# Altium PCB PCB2.PcbDoc (part 2 of 2)
Units mil, origin at the board's own origin, x right, y up, seen from the top; angles counter-clockwise.
Board outline 3858.27 x 3415.36 mil, 4 copper layers (12 V PWR LAYER, 5V 3V3 PWR LAYER, SIGNAL LAYER, GND LAYER 2), stack 23.756 mil thick; 116 components, 87 nets, 401 pads, 74 vias.
Unrouted connection lines stored in the file: 2.
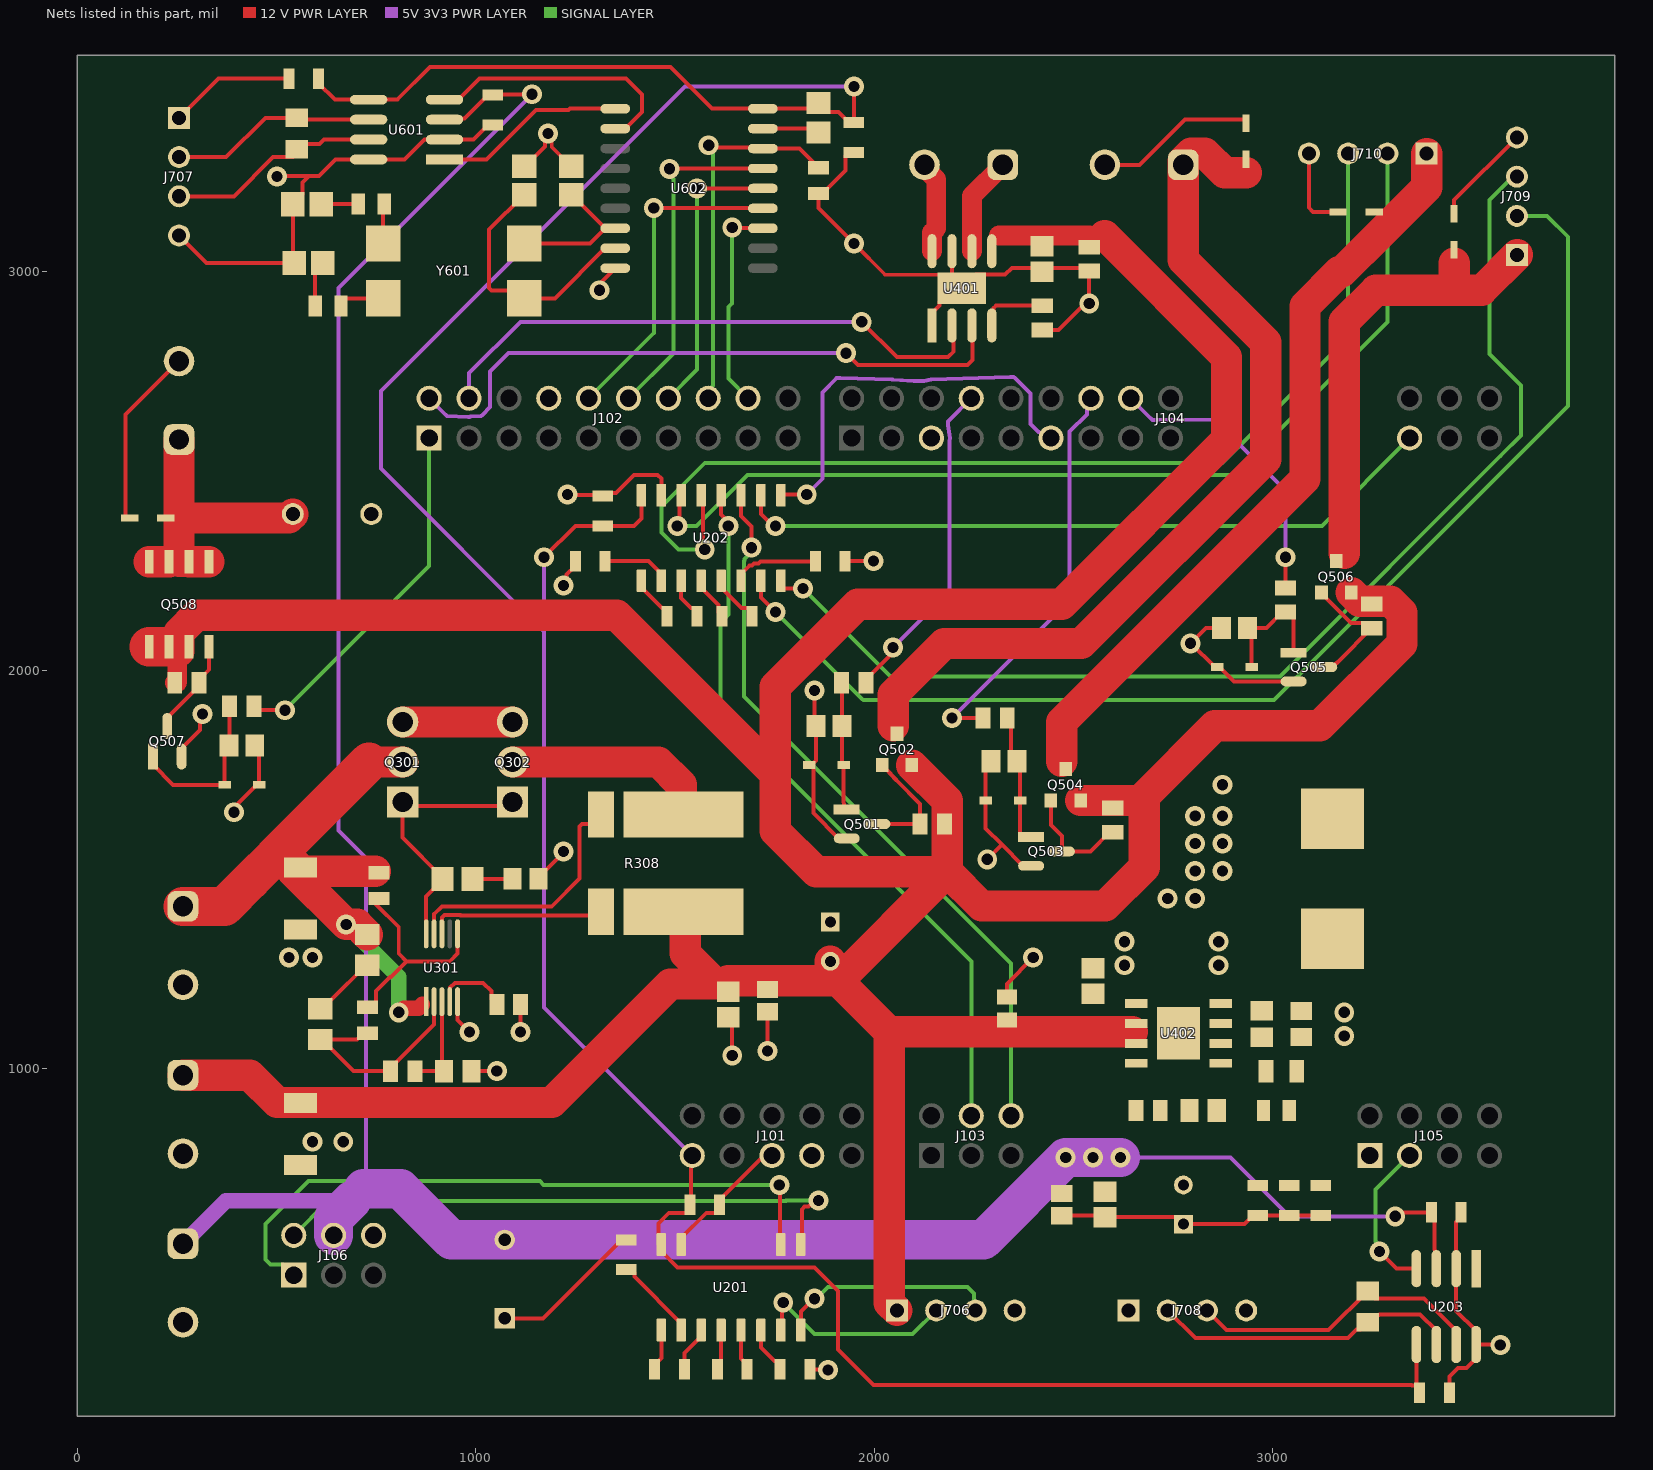
[diagram p4: the nets of this part, all layers, seen from the top]

## Via types
v1: diameter 50, hole 28, 12 V PWR LAYER to GND LAYER 2, 74 vias

## Nets (pads, with @x,y where several pads share a name; then routed paths per layer and width w, separated by ;. In a path a pad name is that pad's centre, name@x,y a point inside that pad or via, vN(x,y) a via of type N, cw(c..) or ccw(c..) an arc to the next point about the centre after c; other vN are vias at no path point)
12VIN: C401.1 C402.2 C403.1 C413.2 C414.2 C415.2 D701.1 J704.1 J706.1 Q502.2 Q504.2 Q506.2 Q508.1 Q508.2 Q508.3 R308.1 R502.2 R504.2 R506.2 R508.2 U401.5 U402.2 U402.3 | length 11141.1
  12 V PWR LAYER w50: R508.2@245.08,1968.5 249.8,1968.5 251.38,1970.08 251.38,2042.72 ; 2312.99,3090.55 2421.26,3090.55 2539.37,3090.55 ; 2539.37,3080.71 2578.74,3080.71
  12 V PWR LAYER w78.74: 255.91,2047.24 255.91,2094.17 299.46,2137.72 1354.32,2137.72 1751.97,1740.07 ; J704.1@265.75,984.25 433.07,984.25 501.97,915.35 561.02,915.35 1190.94,915.35 1488.28,1212.69 1626.08,1212.69 1633.86,1220.47 1732.28,1220.47 1889.76,1220.47 1909.45,1220.47 ; R308.1@1521.38,1393.75 1525.59,1389.54 1525.59,1289.37 1594.49,1220.47 ; C413.2@1889.76,1259.84 C413.2@1889.76,1269.68 ; J706.1@2057.09,393.7 2037.4,413.38 2037.4,1092.52 ; Q502.2@2094.49,1761.81 2183.23,1673.07 2183.23,1614.17 2183.23,1494.25 ; Q504.2@2517.72,1673.23 2598.42,1673.23 2667.32,1673.23 2677.17,1683.07 ; 2578.74,3090.55 2883.86,2785.43 2883.86,2578.74 2470.47,2165.35 1958.66,2165.35 1751.97,1958.66 1751.97,1740.07 ; 2647.64,1092.52 2332.68,1092.52 2037.4,1092.52 ; Q506.2@3196.85,2194.88 3218.35,2173.39 3295.06,2173.39 3323.98,2144.47 3323.98,2066.16 3118.05,1860.24 2854.33,1860.24 2677.17,1683.07 ; 1751.97,1740.07 1751.97,1596.54 1854.26,1494.25 2183.23,1494.25 ; 1909.45,1220.47 2183.23,1494.25 ; 1909.45,1220.47 2037.4,1092.52 ; 2183.23,1494.25 2268.98,1408.51 2579.77,1408.51 2677.17,1505.91 2677.17,1683.07
  12 V PWR LAYER w98.43: Q508.1@180.91,2058.85 Q508.2@230.91,2058.85 244.3,2058.85
CAN_S_RX: U601.4 U602.2 | length 663.1
  12 V PWR LAYER w10: U601.4@921.95,3431.3 956.5,3431.3 1010.08,3484.88 1377.32,3484.88 1417.32,3444.88 1417.32,3400 1375.99,3358.66 U602.2@1350.39,3358.66
CAN_S_TX: U601.1 U602.1 | length 481.2
  12 V PWR LAYER w10: U601.1@921.95,3281.3 1027.36,3281.3 1150.94,3404.88 1232.84,3404.88 1236.62,3408.66 U602.1@1350.39,3408.66
GATE: Q301.1 Q302.1 R307.2 U301.10 | length 657.8
  12 V PWR LAYER w10: Q301.1@816.93,1669.29 816.93,1579.72 917.32,1479.33 R307.2@917.32,1476.38 917.32,1473.42 875.98,1432.08 U301.10@875.98,1338.58 ; Q301.1@826.77,1659.45 1068.76,1659.45 cw(c1068.76,1625.85) Q302.1@1092.52,1649.61
GND: C101.1 C202.2 C203.2 C204.2 C207.2 C208.2 C209.2 C211.2 C212.2 C301.1 C302.2 C401.2 C402.1 C403.2 C405.2 C406.1 C407.2 C408.2 C409.2 C410.1 C411.1 C412.1 C413.1 C414.1 C415.1 C501.2 C502.2 C503.2 C504.2 C505.2 C601.2 C602.2 C603.2 C604.2 C605.2 C606.2 C607.2 D301.2 D501.2 D502.2 D503.2 D504.2 D505.2 D506.2 D507.2 D508.2 D701.2 J101.11 J101.13 J102.8 J104.5 J105.1 J106.6 J701.2 J703.2 J704.2 J705.2 J706.4 J707.1 J707.4 J708.1 J708.4 J709.4 J710.4 J717.2 Q501.2 Q503.2 Q505.2 Q507.2 R304.1 R401.1 R402.1 R405.1 R603.1 U201.15 U202.15 U203.2 U203.8 U301.5 U401.1 U401.7 U401.9 U402.7 U402.EPAD U601.2 U601.8 U602.9 | length 9104
  12 V PWR LAYER w10: D508.2@122.05,2381.89 122.05,2641.73 J717.2@255.91,2775.59 ; J707.4@255.91,3090.55 324.8,3021.65 C606.2@545.05,3021.65 541.34,3025.36 C607.2@541.34,3169.29 565.96,3193.91 565.96,3223.44 582.3,3239.78 ; J707.1@255.91,3385.83 354.33,3484.25 C602.2@531.5,3484.25 ; Q507.2@262.4,1783.33 262.4,1803.64 308.52,1849.76 308.52,1883.33 v1(314.96,1889.76) ; v1(393.7,1643.7) 401.35,1651.35 401.35,1663.16 450.79,1712.6 D507.2@456.69,1712.6 456.69,1800.24 C504.2@445.92,1811.02 ; v1(501.97,3238.19) 503.56,3239.78 582.3,3239.78 ; U301.5@954.72,1168.52 954.72,1122.05 v1(984.25,1092.52) ; R304.1@989.17,994.09 v1(1053.15,994.09) ; C601.2@1043.31,3368.11 1031.5,3368.11 994.69,3331.3 U601.2@921.95,3331.3 871.31,3331.3 821.31,3281.3 U601.8@731.59,3281.3 648.99,3281.3 607.47,3239.78 582.3,3239.78 ; C101.1@1072.83,374.02 1169.29,374.02 1366.14,570.87 C202.2@1377.95,570.87 ; v1(1112.2,1092.52) C302.2@1112.2,1161.42 ; C604.2@1122.05,3264.01 1123.06,3264.01 1173.45,3314.39 1173.45,3338.8 v1(1181.1,3346.46) 1181.1,3335.63 1190.94,3325.79 1190.94,3312.2 1239.14,3264.01 C605.2@1240.16,3264.01 ; C301.1@1157.65,1476.38 1157.65,1480.37 1220.47,1543.19 v1(1220.47,1545.28) ; v1(1220.47,2212.09) 1228.13,2219.75 1228.13,2239.94 1250,2261.81 C207.2@1250,2273.62 ; v1(1230.32,2440.94) 1232.28,2438.98 1316.93,2438.98 C208.2@1318.9,2437.01 1326.24,2444.35 1352.14,2444.35 1368.11,2460.32 1368.11,2460.63 1397.64,2490.16 1456.69,2490.16 1465.75,2481.1 U202.15@1465.75,2438.98 ; v1(1310.57,2953.16) 1310.57,2968.84 U602.9@1350.39,3008.66 ; U201.15@1515.75,559.06 1515.75,575.79 1578.82,638.86 1603.42,638.86 1612.2,647.64 C212.2@1612.2,659.45 1612.2,671.26 1713.09,772.14 1733.17,772.14 J101.11@1743.31,782.28 ; C414.1@1633.86,1129.69 1643.7,1119.85 v1(1643.7,1033.46) ; v1(1732.28,1045.05) C415.1@1732.28,1143.47 ; D501.2@1836.61,1761.81 D501.2@1842.52,1761.81 ; C204.2@1838.58,246.06 1881.76,246.06 v1(1883.62,244.2) ; v1(1850.39,1948.82) 1850.39,1864.08 C501.2@1854.23,1860.24 1854.23,1773.52 D501.2@1842.52,1761.81 ; C209.2@1927.17,2273.62 v1(1998.03,2273.62) ; Q501.2@1930.97,1578.15 1910.66,1578.15 1847.36,1641.44 1847.36,1756.97 D501.2@1842.52,1761.81 ; C603.2@1948.82,3299.21 1937.01,3299.21 1928.23,3290.43 1928.23,3254.02 1870.08,3195.87 R603.1@1860.24,3195.87 1860.24,3159.45 v1(1948.82,3070.87) 2027.56,2992.13 2185.78,2992.13 2194.88,2983.03 U401.7@2194.88,3051.18 ; U401.1@2144.88,2864.88 2144.88,2896.21 2163.86,2915.19 2163.86,2923.17 2198.72,2958.03 U401.9@2219.88,2958.03 2254.74,2992.89 2328.39,2992.89 2345.11,3009.61 2537.17,3009.61 C402.1@2539.37,3011.81 ; v1(2283.46,1525.59) 2320.19,1562.32 ; C502.2@2293.31,1771.65 2279.53,1757.87 D503.2@2279.53,1673.23 2279.53,1602.98 2320.19,1562.32 ; C403.2@2332.68,1180.2 2332.68,1213.2 v1(2398.8,1279.32) ; Q503.2@2393.57,1509.25 2373.25,1509.25 2320.19,1562.32 ; R401.1@2421.26,2853.35 2462.56,2853.35 v1@2539.33,2930.11 ; C412.1@2470.47,631.66 2574.8,631.66 C411.1@2578.74,627.72 2758.1,627.72 C410.1@2775.59,610.24 2929.13,610.24 2950.79,631.89 C408.2@2962.6,631.89 C409.2@3041.34,631.89 C407.2@3120.08,631.89 ; v1(2539.33,2920.27) 2539.37,2920.31 C402.1@2539.37,3001.97 ; J701.2@2578.74,3267.72 2665.11,3267.72 2779.28,3381.89 D502.2@2933.07,3381.89 ; C503.2@2871.01,2106.3 2831.94,2106.3 v1(2793.09,2067.45) 2794.76,2067.45 2854.33,2007.87 D505.2@2860.24,2007.87 2866.14,2007.87 2902.17,1971.85 Q505.2@3052.1,1971.85 ; J710.4@3090.55,3296.26 3090.55,3160.23 3101.17,3149.61 D504.2@3171.95,3149.61 ; C203.2@3442.91,187.01 3442.91,227.6 3464.64,249.32 3485.54,249.32 3510.04,273.82 U203.8@3510.04,308.36 ; D506.2@3454.72,3145.67 3454.72,3179.13 J709.4@3612.2,3336.61 ; C211.2@3472.44,639.76 3472.44,627.95 3460.04,615.55 U203.2@3460.04,498.72 3460.04,392.91 3510.04,342.91 U203.8@3510.04,308.36 ; v1(3570.63,306.75) 3569.02,308.36 U203.8@3510.04,308.36
  other v1: 590.55,816.93 667.82,816.93 3179.13,1082.68 3179.13,1141.73 531.5,1279.53 590.55,1279.53 2736.22,1427.17 2805.12,1427.17 2805.12,1496.06 2874.02,1496.06 2805.12,1564.96 2874.02,1564.96 2805.12,1633.86 2874.02,1633.86 2874.02,1712.6
NetC101_2: C101.2 C211.1 C407.1 C408.1 C409.1 C410.2 C411.2 C412.2 C601.1 J106.4 J705.1 L401.2 R404.2 U203.3 U601.3 | length 6843.7
  12 V PWR LAYER w10: U601.3@921.95,3381.3 924.52,3383.87 972.46,3383.87 1031.5,3442.91 C601.1@1043.31,3442.91 1044.29,3443.9 1140.75,3443.9 v1(1141.73,3444.88) ; v1(3307.09,629.92) 3317.91,629.92 3327.75,639.76 C211.1@3397.64,639.76 3405.51,631.89 3405.51,546.37 3407.27,544.62 3407.27,501.49 U203.3@3410.04,498.72
  5V 3V3 PWR LAYER w10: 725.47,698.82 725.47,1528.46 655.51,1598.43 655.51,2958.66 v1(1141.73,3444.88) ; v1(2618.11,777.56) 2893.7,777.56 3041.34,629.92 v1(3307.09,629.92)
  5V 3V3 PWR LAYER w39.37: J705.1@265.75,561.02 373.62,668.9 643.7,668.9 707.82,668.9
  5V 3V3 PWR LAYER w98.43: J106.4@643.7,582.28 643.7,624.01 688.58,668.9 ; 718.5,698.82 811.39,698.82 939.35,570.87 2273.62,570.87 v1(2480.32,777.56) v1(2549.21,777.56) v1(2618.11,777.56)
NetC201_1: C201.1 U201.1 | length 105.4
  12 V PWR LAYER w10: C201.1@1448.82,246.06 1448.82,257.88 1465.75,274.8 U201.1@1465.75,344.49
NetC201_2: C201.2 U201.3 | length 116.5
  12 V PWR LAYER w10: C201.2@1523.62,246.06 1523.62,286.65 1557.91,320.94 1558.94,320.94 1565.75,327.76 U201.3@1565.75,344.49
NetC202_1: C202.1 U201.2 | length 215.6
  12 V PWR LAYER w10: C202.1@1377.95,496.06 1389.76,496.06 1398.54,487.28 1398.54,478.43 1515.75,361.22 U201.2@1515.75,344.49
NetC203_1: C203.1 C208.1 C212.1 C602.1 C603.1 J101.7 R602.1 U201.16 U202.16 U203.5 U601.5 U602.18 | length 8386.2
  12 V PWR LAYER w10: C602.1@606.3,3484.25 606.3,3472.44 647.44,3431.3 U601.5@731.59,3431.3 803.35,3431.3 885.83,3513.78 1488.27,3513.78 1593.39,3408.66 U602.18@1720.47,3408.66 1845.67,3408.66 R602.1@1860.24,3423.23 1882.8,3400.67 1910.35,3400.67 1937.01,3374.02 C603.1@1948.82,3374.02 v1(1948.82,3464.57) ; v1(1171.26,2283.46) 1250,2362.2 C208.1@1318.9,2362.2 1397.64,2362.2 1415.75,2380.32 U202.16@1415.75,2438.98 ; U201.16@1458.86,560.04 1458.86,612.4 1485.31,638.86 1528.62,638.86 1537.4,647.64 C212.1@1537.4,659.45 1540.36,662.4 1540.36,779.33 J101.7@1543.31,782.28 ; U201.16@1465.75,559.06 1465.75,542.32 1506.1,501.97 1850.39,501.97 1909.45,442.91 1909.45,295.28 1998.03,206.69 3348.43,206.69 3349.33,205.79 3359.33,205.79 C203.1@3360.04,205.08 ; U203.5@3360.04,308.36 C203.1@3360.04,205.08 ; C203.1@3368.11,187.01 3360.04,195.08 C203.1@3360.04,205.08
  5V 3V3 PWR LAYER w10: v1(1171.26,2283.46) 1171.26,2096.46 ; J101.7@1543.31,782.28 1171.26,1154.33 1171.26,2096.46 ; v1(1948.82,3464.57) 1525.59,3464.57 762.02,2700.99 762.02,2505.7 1171.26,2096.46
NetC204_1: C204.1 U201.6 | length 121.2
  12 V PWR LAYER w10: U201.6@1715.75,344.49 1715.75,300.94 1750.04,266.65 1755,266.65 1763.78,257.88 C204.1@1763.78,246.06
NetC205_1: C205.1 U201.4 | length 102.3
  12 V PWR LAYER w10: C205.1@1606.3,246.06 1606.3,257.88 1615.75,267.32 U201.4@1615.75,344.49
NetC205_2: C205.2 U201.5 | length 104.8
  12 V PWR LAYER w10: U201.5@1665.75,344.49 1665.75,273.23 1681.1,257.88 C205.2@1681.1,246.06
NetC206_1: C206.1 U202.1 | length 118
  12 V PWR LAYER w10: U202.1@1415.75,2224.41 1415.75,2207.68 1467.01,2156.42 1471.54,2156.42 1480.32,2147.64 C206.1@1480.32,2135.83
NetC206_2: C206.2 U202.3 | length 108.5
  12 V PWR LAYER w10: U202.3@1515.75,2224.41 1515.75,2180.87 1540.2,2156.42 1546.34,2156.42 1555.12,2147.64 C206.2@1555.12,2135.83
NetC207_1: C207.1 U202.2 | length 171.1
  12 V PWR LAYER w10: C207.1@1324.8,2273.62 1433.27,2273.62 1465.75,2241.14 U202.2@1465.75,2224.41
NetC209_1: C209.1 U202.6 | length 220
  12 V PWR LAYER w10: U202.6@1665.75,2224.41 1665.75,2241.14 1686.7,2262.1 1693.04,2262.1 1698.9,2267.95 1709.93,2267.95 1714.62,2272.64 1843.58,2272.64 C209.1@1852.36,2281.42
NetC210_1: C210.1 U202.4 | length 110.3
  12 V PWR LAYER w10: U202.4@1565.75,2224.41 1565.75,2207.68 1609.33,2164.09 1609.33,2144.61 C210.1@1618.11,2135.83
NetC210_2: C210.2 U202.5 | length 130.6
  12 V PWR LAYER w10: U202.5@1615.75,2224.41 1615.75,2207.68 1667.01,2156.42 1684.13,2156.42 1692.91,2147.64 C210.2@1692.91,2135.83
NetC301_2: C301.2 R307.1 | length 100.4
  12 V PWR LAYER w10: R307.1@992.13,1476.38 C301.2@1092.52,1476.38
NetC302_1: C302.1 U301.4 | length 191.8
  12 V PWR LAYER w10: U301.4@935.04,1168.52 935.48,1168.96 935.48,1203.47 947.66,1215.65 1018.6,1215.65 1039.45,1194.8 1039.45,1175.12 C302.1@1053.15,1161.42
NetC404_1: C404.1 U402.1
NetC404_2: C404.2 L401.1 U402.8
  other v1: 2627.95,1259.84 2864.17,1259.84 2627.95,1318.9 2864.17,1318.9
NetC405_1: C405.1 R403.2
NetC406_2: C406.2 R403.1 U402.6
NetC501_1: C501.1 D501.1 Q501.1 R501.2 | length 300.8
  12 V PWR LAYER w10: R501.2@1919.29,1947.84 C501.1@1919.29,1860.24 1919.29,1771.32 ccw(c1932.73,1771.32) D501.1@1923.23,1761.81 1923.23,1668.88 ccw(c1949.65,1668.88) Q501.1@1930.97,1650.2
NetC502_1: C502.1 D503.1 Q503.1 R503.2 | length 319.4
  12 V PWR LAYER w10: R503.2@2342.52,1870.08 2342.52,1809.91 ccw(c2396.62,1809.91) C502.1@2358.37,1771.65 2366.14,1763.88 D503.1@2366.14,1673.23 2366.14,1588.64 2373.48,1581.3 Q503.1@2393.57,1581.3
NetC503_1: C503.1 D505.1 Q505.1 R505.2 | length 329
  12 V PWR LAYER w10: D505.1@2946.85,2007.87 2946.85,2095.52 C503.1@2936.07,2106.3 2984.25,2106.3 3023.62,2145.67 R505.2@3031.5,2145.67 3038.4,2145.67 3052.1,2131.97 Q505.1@3052.1,2043.9
NetC504_1: C504.1 D507.1 Q507.1 R507.2 | length 422.8
  12 V PWR LAYER w10: Q507.1@190.36,1783.33 190.36,1763.02 240.78,1712.6 D507.1@370.08,1712.6 370.08,1800.25 C504.1@380.86,1811.02 ccw(c375.99,1815.89) 382.87,1815.89 R507.2@382.87,1909.45
NetC505_1: C505.1 D508.1 J717.1 Q508.5 Q508.6 Q508.7 Q508.8 | length 719.6
  12 V PWR LAYER w78.74: Q508.8@180.91,2271.85 Q508.7@230.91,2271.85 ; J717.1@255.91,2578.74 255.91,2381.89 ; Q508.6@280.91,2271.85 Q508.5@330.91,2271.85 ; Q508.6@280.91,2273.62 255.91,2273.62 255.91,2381.89 ; C505.1@541.34,2391.73 531.5,2381.89 255.91,2381.89
NetC604_1: C604.1 U602.8 Y601.4 | length 650.9
  12 V PWR LAYER w10: C604.1@1122.05,3192.69 1121.03,3192.69 1033.46,3105.12 1033.46,2958.61 1039.32,2952.76 1102.36,2952.76 Y601.4@1122.05,2933.07 1199.21,2933.07 1324.8,3058.66 U602.8@1350.39,3058.66
NetC605_1: C605.1 U602.7 Y601.1 | length 389
  12 V PWR LAYER w10: Y601.1@1122.05,3070.87 1287.01,3070.87 1324.8,3108.66 U602.7@1350.39,3108.66 1325.2,3108.66 1241.17,3192.68 C605.1@1240.16,3192.68
NetC606_1: C606.1 R604.1 | length 116.1
  12 V PWR LAYER w10: R604.1@597.44,2913.39 597.44,3002.73 C606.1@616.37,3021.65
NetC607_1: C607.1 R605.1 | length 93
  12 V PWR LAYER w10: C607.1@612.66,3169.29 R605.1@705.71,3169.29
NetD301_1: D301.1 J703.1 Q301.2 R301.2 R306.2 U301.1 | length 1596.8
  12 V PWR LAYER w39.37: v1(807.09,1141.73) 809.96,1141.73 820.2,1151.97 856.7,1151.97 866.14,1161.42
  12 V PWR LAYER w78.74: 511.71,1549.11 526.18,1534.65 D301.1@554.92,1505.91 ; 516.34,1524.8 536.03,1505.12 545.08,1496.06 R306.2@748.52,1496.06 ; D301.1@540.26,1497.14 v1(675.2,1362.2) 702.76,1362.2 R301.2@728.35,1336.61 ; 732.28,1769.68 Q301.2@816.93,1769.68
  12 V PWR LAYER w98.43: J703.1@265.75,1407.48 370.08,1407.48 435.63,1473.03 497.25,1534.65 ; 501.87,1539.27 732.28,1769.68
  SIGNAL LAYER w39.37: v1(675.2,1362.2) 807.09,1230.32 v1(807.09,1141.73)
NetD502_1: D502.1 J701.1 Q502.3 | length 2287.9
  12 V PWR LAYER w78.74: 2047.24,1860.24 2047.4,1860.39 2047.4,1939.13 2175.2,2066.93 2519.68,2066.93 2982.28,2529.53 2982.28,2822.35 2775.59,3029.04 J701.1@2775.59,3277.56 ; J701.1@2775.59,3267.72 J701.1@2775.59,3277.56 ; 2933.07,3248.03 2878.94,3248.03 2829.72,3297.24 2795.28,3297.24 J701.1@2775.59,3277.56
NetD504_1: D504.1 J710.1 Q504.3 | length 1907.6
  12 V PWR LAYER w78.74: 2470.47,1771.65 2470.47,1870.08 3080.71,2480.32 3080.71,2913.39 3166.96,2999.63 3173.5,2999.63 3269.02,3095.15 3385.83,3211.96 J710.1@3385.83,3296.26
NetD506_1: D506.1 J709.1 Q506.3 | length 1153.1
  12 V PWR LAYER w78.74: 3179.13,2293.31 3179.13,2874.02 3257.87,2952.76 3454.72,2952.76 ; 3454.72,3021.65 3454.72,2952.76 ; J709.1@3613.02,3042.16 3523.62,2952.76 3454.72,2952.76
NetJ102_1: J102.1 R507.1 | length 914.4
  12 V PWR LAYER w10: R507.1@443.9,1909.45 453.74,1899.61 v1(521.65,1899.61)
  SIGNAL LAYER w10: v1(521.65,1899.61) 883.46,2261.42 J102.1@883.46,2582.28
NetJ102_2: J102.2 U401.3 | length 1634.9
  12 V PWR LAYER w10: v1(1929.13,2795.28) 1958.98,2765.43 2233.94,2765.43 2246.94,2778.43 U401.3@2246.94,2896.5
  5V 3V3 PWR LAYER w10: J102.2@883.46,2682.28 925.02,2640.72 927.95,2637.8 981.76,2635.82 ccw(c983.46,2682.28) 986.73,2635.9 1013.78,2637.8 1016.71,2640.72 1036.46,2660.47 1036.46,2749.06 1082.68,2795.28 v1(1929.13,2795.28)
NetJ102_4: J102.4 U401.2 | length 1474.1
  12 V PWR LAYER w10: v1(1968.5,2874.02) 2057.09,2785.43 2185.04,2785.43 2199.41,2799.8 U401.2@2199.41,2898.97
  5V 3V3 PWR LAYER w10: J102.4@983.46,2682.28 983.46,2745.28 1112.2,2874.02 v1(1968.5,2874.02)
NetJ102_10: J102.10 U602.13 | length 818.8
  12 V PWR LAYER w10: v1(1446.85,3159.45) 1447.24,3159.05 1720.08,3159.05 U602.13@1720.47,3158.66
  SIGNAL LAYER w10: J102.10@1283.46,2682.28 1446.85,2845.67 v1(1446.85,3159.45)
NetJ102_12: J102.12 U602.15 | length 860.9
  12 V PWR LAYER w10: v1(1486.22,3257.87) 1486.61,3258.27 1720.08,3258.27 U602.15@1720.47,3258.66
  SIGNAL LAYER w10: J102.12@1383.46,2682.28 1496.06,2794.88 1496.06,3232.02 1493.87,3234.2 1493.87,3250.22 v1(1486.22,3257.87)
NetJ102_14: J102.14 U602.14 | length 721.4
  12 V PWR LAYER w10: v1(1555.12,3208.66) U602.14@1720.47,3208.66
  SIGNAL LAYER w10: J102.14@1483.46,2682.28 1555.12,2753.94 v1(1555.12,3208.66)
NetJ102_16: J102.16 R603.2 U602.16 | length 942.6
  12 V PWR LAYER w10: v1(1584.65,3316.93) 1590.31,3311.27 1717.87,3311.27 U602.16@1720.47,3308.66 1812.4,3308.66 R603.2@1860.24,3260.83
  SIGNAL LAYER w10: J102.16@1583.46,2682.28 1593.6,2692.42 1593.6,2713.12 1595.12,2714.64 1595.12,3295.63 1584.65,3306.11 v1(1584.65,3316.93)
NetJ102_18: J102.18 U602.12 | length 530
  12 V PWR LAYER w10: v1(1643.7,3110.24) 1644.49,3109.45 1719.68,3109.45 U602.12@1720.47,3108.66
  SIGNAL LAYER w10: v1(1643.7,3110.24) 1643.7,2920.57 1633.86,2910.73 1633.86,2731.89 J102.18@1683.46,2682.28
NetJ103_4: J103.4 U202.12 | length 1837
  12 V PWR LAYER w10: U202.12@1615.75,2438.98 1619.88,2434.84 1615.75,2430.71 1615.75,2391.14 1633.86,2373.03 v1(1633.86,2362.2)
  SIGNAL LAYER w10: v1(1633.86,2362.2) 1633.86,2140.26 1614.17,2120.57 1614.17,1899.61 2244.09,1269.68 2244.09,883.07 J103.4@2243.31,882.28
NetJ103_6: J103.6 U202.11 | length 1853.1
  12 V PWR LAYER w10: U202.11@1665.75,2438.98 1665.75,2386.88 1692.19,2360.44 v1(1692.19,2307.39)
  SIGNAL LAYER w10: v1(1692.19,2307.39) 1692.19,2296.56 1674.84,2279.21 1674.84,2275.23 1673.23,2273.62 1673.23,1934.44 2343.31,1264.36 J103.6@2343.31,882.28
NetJ104_8: J104.8 R501.1 | length 825.2
  12 V PWR LAYER w10: R501.1@1979.33,1968.5 1979.33,1976.38 2039.59,2036.64 2039.59,2049.43 v1(2047.24,2057.09)
  5V 3V3 PWR LAYER w10: v1(2047.24,2057.09) 2186.29,2196.13 2189.22,2199.06 2189.22,2574.93 ccw(c2143.31,2582.28) 2189.22,2589.64 ; 2189.21,2589.68 2185.04,2615.73 2185.04,2624.02 2187.97,2626.94 J104.8@2243.31,2682.28
NetJ104_11: J104.11 U202.9 | length 1034.7
  12 V PWR LAYER w10: U202.9@1765.75,2438.98 1767.72,2440.94 v1(1830.71,2440.94)
  5V 3V3 PWR LAYER w10: v1(1830.71,2440.94) 1870.08,2480.31 1870.08,2696.85 1905.89,2732.66 1914.17,2732.66 2044.7,2728.76 cw(c2043.31,2682.28) 2045.82,2728.71 cw(c2043.31,2682.28) 2046.45,2728.67 2099.29,2725.09 2125.16,2725.09 cw(c2143.31,2682.28) 2141.75,2728.75 ; 2141.79,2728.75 2341.68,2735.59 2349.96,2735.59 2352.89,2732.66 2391.73,2693.82 2391.73,2618.11 2412.56,2597.29 2413.96,2597.29 2428.97,2582.28 J104.11@2443.31,2582.28
NetJ104_14: J104.14 R503.1 | length 1024.4
  12 V PWR LAYER w10: v1(2194.88,1879.92) R503.1@2272.64,1879.92
  5V 3V3 PWR LAYER w10: v1(2194.88,1879.92) 2490.16,2175.2 2490.16,2598.43 2533.17,2641.44 2533.17,2672.14 J104.14@2543.31,2682.28
NetJ104_16: J104.16 R505.1 | length 728.2
  12 V PWR LAYER w10: R505.1@3031.5,2206.69 v1(3031.5,2283.46)
  5V 3V3 PWR LAYER w10: J104.16@2643.31,2682.28 2694.71,2630.88 2697.64,2627.95 2705.92,2627.95 2742.26,2628.77 cw(c2743.31,2582.28) 2743.68,2628.78 2854.33,2627.95 2857.26,2625.02 3031.5,2450.79 v1(3031.5,2283.46)
NetJ104_29: J104.29 U202.10 | length 1777.8
  12 V PWR LAYER w10: U202.10@1715.75,2438.98 1715.75,2392.4 1745.94,2362.2 v1(1751.97,2362.2)
  SIGNAL LAYER w10: v1(1751.97,2362.2) 3123.23,2362.2 J104.29@3343.31,2582.28
NetJ105_3: J105.3 U203.4 | length 390.4
  12 V PWR LAYER w10: v1(3267.72,541.34) 3310.33,498.72 U203.4@3360.04,498.72
  SIGNAL LAYER w10: v1(3267.72,541.34) 3260.06,548.99 3260.06,565.01 3257.87,567.2 3257.87,696.85 J105.3@3343.31,782.28
NetJ105_5: U203.1
NetJ106_1: J106.1 U201.10 | length 1665.6
  12 V PWR LAYER w10: v1(1761.81,708.66) 1763.78,706.69 1763.78,561.02 U201.10@1765.75,559.06
  SIGNAL LAYER w10: J106.1@543.7,482.28 517.2,508.78 485.31,508.78 472.44,521.65 472.44,610.24 580.63,718.42 1160.93,718.42 1170.69,708.66 v1(1761.81,708.66)
NetJ106_2: J106.2 U201.9 | length 1493.1
  12 V PWR LAYER w10: U201.9@1815.75,559.06 1818.31,561.62 1818.31,647.58 1825.29,654.57 1834.69,654.57 1849.41,669.29 v1(1860.24,669.29)
  SIGNAL LAYER w10: J106.2@543.7,582.28 630.08,668.66 1778.38,668.66 1779.01,669.29 v1(1860.24,669.29)
NetJ702_1: J702.1 U401.6 | length 248.8
  12 V PWR LAYER w50: U401.6@2244.88,3051.18 2244.88,3189.76 J702.1@2322.83,3267.72
NetJ702_2: J702.2 U401.8 | length 233.2
  12 V PWR LAYER w50: J702.2@2125.98,3267.72 2125.98,3260.47 2155.51,3230.94 2155.51,3108.85 2144.88,3098.22 U401.8@2144.88,3051.18
NetJ706_2: J706.2 U201.7 | length 512.3
  12 V PWR LAYER w10: U201.7@1765.75,344.49 1768.7,347.44 1768.7,410.43 v1(1771.65,413.39)
  SIGNAL LAYER w10: v1(1771.65,413.39) 1850.39,334.65 2096.46,334.65 J706.2@2155.51,393.7
NetJ706_3: J706.3 U201.8 | length 557.6
  12 V PWR LAYER w10: U201.8@1815.75,344.49 1816.18,344.92 1816.18,391.03 1848.37,423.23 v1(1850.39,423.23)
  SIGNAL LAYER w10: v1(1850.39,423.23) 1854.98,423.23 1884.51,452.76 2234.25,452.76 2250.75,436.26 2250.75,396.89 J706.3@2253.94,393.7
NetJ707_2: J707.2 R601.2 U601.6 | length 518.3
  12 V PWR LAYER w10: J707.2@255.91,3287.4 374.02,3287.4 472.44,3385.83 570.87,3385.83 575.4,3381.3 U601.6@731.59,3381.3
NetJ707_3: J707.3 R601.1 U601.7 | length 534.6
  12 V PWR LAYER w10: J707.3@255.91,3188.98 393.7,3188.98 492.12,3287.4 541.47,3287.4 574.23,3320.17 608.55,3320.17 619.68,3331.3 U601.7@731.59,3331.3
NetJ708_2: J708.2 R201.2 U203.6 | length 778.6
  12 V PWR LAYER w10: J708.2@2736.22,393.7 2805.43,324.49 3188.66,324.49 3208.66,344.49 3208.79,344.49 3209.85,345.55 3219.57,345.55 3256.81,382.8 3266.53,382.8 3267.59,383.86 3369.09,383.86 3410.04,342.91 U203.6@3410.04,308.36
NetJ708_3: J708.3 R201.1 U203.7 | length 762.5
  12 V PWR LAYER w10: J708.3@2834.65,393.7 2883.86,344.49 3139.76,344.49 R201.1@3238.19,442.91 3256.81,424.29 3266.53,424.29 3267.59,423.23 3379.72,423.23 3460.04,342.91 U203.7@3460.04,308.36
NetJ709_2: J709.2 U202.7 | length 3053.4
  12 V PWR LAYER w10: U202.7@1715.75,2224.41 1715.75,2181.89 v1(1751.97,2145.67)
  SIGNAL LAYER w10: v1(1751.97,2145.67) 1969.77,1927.87 1972.69,1924.94 3002.49,1924.94 3740.16,2662.61 3740.16,3029.85 3740.16,3087.43 3687.82,3139.76 J709.2@3612.2,3139.76
NetJ709_3: J709.3 U202.8 | length 2927.5
  12 V PWR LAYER w10: U202.8@1765.75,2224.41 1765.75,2211.54 1772.56,2204.72 v1(1820.87,2204.72)
  SIGNAL LAYER w10: v1(1820.87,2204.72) 2038.66,1986.93 2041.59,1984 3017.46,1984 3571.45,2537.99 3622.05,2588.58 3622.05,2714.15 3543.31,2792.89 3543.31,2794.74 3543.31,3179.13 J709.3@3607.28,3243.11
NetJ710_2: J710.2 U202.14 | length 2496.6
  12 V PWR LAYER w10: v1(1505.91,2362.2) 1510.83,2367.13 1510.83,2434.05 U202.14@1515.75,2438.98
  SIGNAL LAYER w10: v1(1505.91,2362.2) 1553.55,2362.2 1681.51,2490.16 2903.54,2490.16 3287.4,2874.02 J710.2@3287.4,3296.26
NetJ710_3: J710.3 U202.13 | length 2691.5
  12 V PWR LAYER w10: U202.13@1565.75,2438.98 1570.28,2434.45 1570.28,2307.68 v1(1574.8,2303.15)
  SIGNAL LAYER w10: v1(1574.8,2303.15) 1508.39,2303.15 1465.91,2345.64 1465.91,2410.79 1574.8,2519.68 2874.02,2519.68 3188.98,2834.65 J710.3@3188.98,3296.26
NetQ301_3: Q301.3 Q302.3 | length 275.6
  12 V PWR LAYER w78.74: Q301.3@816.93,1870.08 Q302.3@1092.52,1870.08
NetQ302_2: Q302.2 R308.4 | length 524.1
  12 V PWR LAYER w78.74: Q302.2@1092.52,1769.68 1458.66,1769.68 1515.75,1712.6 1515.75,1643.38 R308.4@1521.38,1637.75
NetQ501_3: Q501.3 Q502.1 R502.1 | length 278.7
  12 V PWR LAYER w10: Q501.3@2007.87,1614.17 R502.1@2115.16,1614.17 2115.16,1624.92 2115.16,1664.25 2055.16,1724.25 ; Q502.1@2030.43,1751.06 2053.93,1725.59 ; 2053.96,1725.56 cw(c2046.58,1718.81) 2054.01,1725.51 2054.8,1724.62 ccw(c2062.23,1731.32) 2055.12,1724.28
NetQ503_3: Q503.3 Q504.1 R504.1 | length 287.3
  12 V PWR LAYER w10: Q504.1@2442.91,1673.23 2442.91,1612.21 2470.47,1584.65 Q503.3@2470.47,1545.28 2542.32,1545.28 2590.55,1593.5 R504.1@2598.42,1593.5
NetQ505_3: Q505.3 Q506.1 R506.1 | length 321.5
  12 V PWR LAYER w10: Q506.1@3122.05,2194.88 3122.05,2192.91 3142.48,2172.48 3142.48,2172.36 3195.82,2119.02 3234.33,2119.02 R506.1@3248.03,2105.31 3165.85,2023.14 cw(c3129,2059.99) Q505.3@3129,2007.87
NetQ507_3: Q507.3 Q508.4 R508.1 | length 241.9
  12 V PWR LAYER w10: Q507.3@226.38,1860.24 226.38,1880.91 306.1,1960.63 R508.1@306.1,1968.5 306.1,1976.38 330.91,2001.18 Q508.4@330.91,2058.85
NetR301_1: R301.1 R302.2 | length 163.4
  12 V PWR LAYER w10: R302.2@610.24,1150.59 631.81,1172.17 636.73,1172.17 724.41,1259.84 R301.1@728.35,1259.84
NetR308_2: R308.2 U301.8 | length 446.2
  12 V PWR LAYER w10: U301.8@915.35,1338.58 915.35,1379.13 921.94,1385.72 961.79,1385.72 962.52,1384.99 1305.62,1384.99 R308.2@1314.38,1393.75
NetR401_2: R401.2 U401.4 | length 133.8
  12 V PWR LAYER w10: U401.4@2299.41,2898.97 2299.41,2908.4 2305.38,2914.37 R401.2@2421.26,2914.37
NetR402_2: R402.2 U402.4
NetR404_1: R404.1 R405.2 U402.5
NetR602_2: R602.2 U602.17 | length 144
  12 V PWR LAYER w10: U602.17@1720.47,3358.66 1850,3358.66 R602.2@1860.24,3348.42
NetR604_2: R604.2 Y601.3 | length 118.1
  12 V PWR LAYER w10: R604.2@662.4,2913.39 662.4,2921.34 674.13,2933.07 Y601.3@767.72,2933.07
NetR605_2: R605.2 Y601.2 | length 99.6
  12 V PWR LAYER w10: Y601.2@767.72,3070.87 767.72,3166.34 R605.2@770.67,3169.29
OV: R303.1 R304.2 U301.3 | length 239.5
  12 V PWR LAYER w10: R303.1@847.44,994.09 R304.2@910.43,994.09 ; U301.3@915.35,1168.52 915.35,999.02 R304.2@920.28,994.09
SENSE: R308.3 U301.9 | length 648.4
  12 V PWR LAYER w10: U301.9@895.67,1338.58 896.11,1339.02 896.11,1388.24 915.35,1407.48 1190.94,1407.48 1260.47,1477.01 1260.47,1608.32 1266.33,1614.17 1290.8,1614.17 R308.3@1314.38,1637.75
SHDN1: R305.1 R306.1 U301.6 | length 522.9
  12 V PWR LAYER w10: R305.1@728.35,1154.53 738.19,1154.53 749.92,1166.26 749.92,1195.04 785.2,1230.32 787.4,1230.32 826.77,1269.68 ; R306.1@749.92,1412.48 807.09,1355.31 807.09,1289.37 826.77,1269.68 ; U301.6@954.72,1338.58 954.72,1289.37 935.04,1269.68 826.77,1269.68
UV: R302.1 R303.2 R305.2 U301.2 | length 549.6
  12 V PWR LAYER w10: R302.1@610.24,1073.82 702.75,1073.82 718.5,1089.57 R305.2@728.35,1089.57 ; R302.1@614.17,1073.82 693.9,994.09 R303.2@786.42,994.09 786.42,1001.97 895.67,1111.22 U301.2@895.67,1168.52
pads on no net: J101.8 J101.9 J101.10 J101.12 J101.14 J101.15 J101.16 J102.3 J102.5 J102.6 J102.7 J102.9 J102.11 J102.13 J102.15 J102.17 J102.19 J102.20 J103.1 J103.2 J103.3 J103.5 J104.1 J104.2 J104.3 J104.4 J104.6 J104.7 J104.9 J104.10 J104.12 J104.13 J104.15 J104.17 J104.18 J104.30 J104.31 J104.32 J104.33 J104.34 J105.2 J105.4 J105.5 J105.6 J105.7 J105.8 J106.3 J106.5 U201.11 U201.12 U201.13 U201.14 U301.7 U602.3 U602.4 U602.5 U602.6 U602.10 U602.11

## Polygon pours and split planes (outlines as drawn)
GND on 12 V PWR LAYER "GND_L01_P021" (solid, pour order 21): 501.97,748.03 521.65,728.35 600.39,728.35 649.61,777.56 708.66,777.56 728.35,797.24 728.35,836.61 708.66,856.3 551.18,856.3 501.97,807.09
GND on 12 V PWR LAYER "GND_L01_P020" (solid, pour order 20): 511.81,1358.27 521.65,1368.11 600.39,1368.11 610.24,1358.27 610.24,1259.84 600.39,1250 521.65,1250 511.81,1259.84
NetC101_2 on 12 V PWR LAYER "NETC101_2_L01_P017" (solid, pour order 17): 3149.61,856.3 3149.61,718.5 3110.24,679.13 2431.1,679.13 2431.1,816.93 3011.81,816.93 3021.65,826.77 3021.65,925.2 3031.5,935.04 3100.39,935.04 3277.56,1112.2 3277.56,1427.17 3198.82,1505.91 3031.5,1505.91 3001.97,1535.43 3001.97,1751.97 3021.65,1771.65 3188.98,1771.65 3366.14,1594.49 3366.14,1072.83
no net on 12 V PWR LAYER "NONET_L01_P016" (solid, pour order 16): 3021.65,925.2 3031.5,935.04
NetC405_1 on 12 V PWR LAYER "NETC405_1_L01_P015" (solid, pour order 15): 3031.5,1092.52 3041.34,1102.36 3100.39,1102.36 3110.24,1092.52 3110.24,974.41 3100.39,964.57 3041.34,964.57 3031.5,974.41
NetR402_2 on 12 V PWR LAYER "NETR402_2_L01_P014" (solid, pour order 14): 2677.17,1028.54 2687.01,1018.7 2687.01,871.06 2677.17,861.22 2637.8,861.22 2627.95,871.06 2627.95,1018.7 2637.8,1028.54
NetR404_1 on 12 V PWR LAYER "NETR404_1_L01_P011" (solid, pour order 11): 2834.65,1023.62 2844.49,1033.46 2913.39,1033.46 2933.07,1013.78 2933.07,964.57 2962.6,935.04 2992.13,935.04 3001.97,925.2 3001.97,856.3 2992.13,846.46 2982.28,856.3 2844.49,856.3 2834.65,866.14
NetC406_2 on 12 V PWR LAYER "NETC406_2_L01_P008" (solid, pour order 8): 2842.03,1053.15 2834.65,1060.53 2834.65,1067.91 2834.65,1072.83 2844.49,1082.68 2913.39,1082.68 2933.07,1102.36 2992.13,1102.36 3001.97,1092.52 3001.97,974.41 2992.13,964.57 2952.76,964.57 2942.91,974.41 2942.91,1033.46 2923.23,1053.15
GND on 12 V PWR LAYER "GND_L01_P006" (solid, pour order 6): 3238.19,1181.1 3257.87,1161.42 3257.87,1122.05 3159.45,1023.62 3129.92,1023.62 3120.08,1033.46 3120.08,1102.36 3100.39,1122.05 2933.07,1122.05 2903.54,1092.52 2834.65,1092.52 2814.96,1072.83 2814.96,866.14 2805.12,856.3 2706.69,856.3 2696.85,866.14 2696.85,1427.17 2755.91,1486.22 2755.91,1653.54 2874.02,1771.65 2933.07,1771.65 2952.76,1751.97 2952.76,1496.06 2814.96,1358.27 2814.96,1161.42 2834.65,1141.73 2893.7,1141.73 2933.07,1181.1
NetC404_2 on 12 V PWR LAYER "NETC404_2_L01_P004" (solid, pour order 4): 2913.39,1417.32 3238.19,1417.32 3257.87,1397.64 3257.87,1230.32 3238.19,1210.63 2942.91,1210.63 2883.86,1151.57 2844.49,1151.57 2834.65,1161.42 2834.65,1338.58
no net on 12 V PWR LAYER "NONET_L01_P003" (solid, pour order 3): 2824.8,1338.58 2834.65,1348.43
NetC404_2 on 12 V PWR LAYER "NETC404_2_L01_P001" (solid, pour order 1): 2647.64,1348.43 2667.32,1328.74 2667.32,1240.16 2657.48,1230.32 2500,1230.32 2490.16,1240.16 2490.16,1328.74 2509.84,1348.43
NetC404_1 on 12 V PWR LAYER "NETC404_1_L01_P000" (solid, pour order 0): 2490.16,1200.79 2500,1210.63 2657.48,1210.63 2687.01,1181.1 2687.01,1151.57 2677.17,1141.73 2500,1141.73 2490.16,1151.57
NetC404_2 on 5V 3V3 PWR LAYER "NETC404_2_L02_P002" (solid, pour order 2): 2598.43,1338.58 2608.27,1348.43 2883.86,1348.43 2893.7,1338.58 2893.7,1240.16 2883.86,1230.32 2608.27,1230.32 2598.43,1240.16
GND on GND LAYER 2 "GND_L04_P022" (solid, pour order 22): 98.43,196.85 3740.16,196.85 3740.16,3444.88 98.43,3444.88

## Silkscreen, mask and mechanical layers (free items; w line width, h text height)
Top Overlay:
  drawing of 61 lines, arcs and shapes, not listed
  text "SOL" at 2175.35,3494.25 h30
  text "LIGHT" at 2637.95,3494.25 h30
  text "ENC" at 3198.98,3494.25 h30
  text "WIND" at 3622.2,3494.25 h30
  text "DIR1" at 2091.61,3449.42 h20
  text "DIR2" at 2298.31,3449.42 h20
  text "GND" at 2534.53,3449.42 h20
  text "12V PWR" at 2721.54,3449.42 h20
  text "GND" at 3056.18,3449.42 h20
  text "RX" at 3164.45,3449.42 h20
  text "TX" at 3262.87,3449.42 h20
  text "12V PWR" at 3341.61,3449.42 h20
  text "GND" at 23.32,3354.35 h20 r20.61
  text "GND" at 3783.16,3334.67 h20 r20.61
  text "CAN_H" at 23.32,3255.93 h20 r20.61
  text "RX" at 3783.16,3236.24 h20 r20.61
  text "SERVO" at 23.32,3226.4 h20 r20.61
  text "CAN_L" at 23.32,3147.66 h20 r20.61
  text "TX" at 3783.16,3127.97 h20 r20.61
  text "SERVO" at 23.32,3118.13 h20 r20.61
  text "GND" at 23.32,3039.39 h20 r20.61
  text "12V" at 3783.16,3029.55 h20 r20.61
  text "SERVO" at 29.68,3011.65 h30 r270
  text "PWR" at 3783.16,2990.18 h20 r20.61
  text "GND" at 23.32,2734.27 h20 r20.61
  text "SERVO" at 23.32,2586.63 h20 r20.61
  text "PWR" at 23.32,2547.26 h20 r20.61
  text "12V" at 23.32,2507.89 h20 r20.61
  text "12V" at 23.32,1415.37 h20 r20.61
  text "INPUT" at 23.32,1376 h20 r20.61
  text "PROT" at 23.32,1336.63 h20 r20.61
  text "SAIL BOB V3" at 3562.52,1191.42 h100 r90
  text "ADARSH SOOD" at 3739.68,1181.57 h100 r90
  text "GND" at 33.16,1179.15 h20 r20.61
  text "PWR" at 29.68,1141.57 h30 r270
  text "12V" at 23.32,992.15 h20 r20.61
  text "INPUT" at 23.32,952.78 h20 r20.61
  text "NON" at 23.32,913.41 h20 r20.61
  text "PROT" at 23.32,874.04 h20 r20.61
  text "GND" at 23.32,755.93 h20 r20.61
  text "PWR" at 29.68,708.5 h30 r270
  text "5V" at 23.32,559.08 h20 r20.61
  text "INPUT" at 23.32,519.71 h20 r20.61
  text "TEST" at 23.32,480.34 h20 r20.61
  text "GND" at 23.32,342.54 h20 r20.61
  text "12V" at 2023.47,211.39 h20 r1.74
  text "TX" at 2131.72,211.39 h20 r1.69
  text "RX" at 2230.15,211.39 h20 r1.69
  text "GND" at 2328.32,211.33 h20 r1.12
  text "GND" at 2593.89,211.29 h20 r0.72
  text "CAN_L" at 2682.17,211.23 h20
  text "GND" at 2948.4,211.33 h20 r1.12
  text "CAN_H" at 2805.35,202.9 h20 r0.4
  text "AIS" at 2165.51,147.8 h30
  text "CAN FD" at 2697.01,147.8 h30
Mechanical 1:
  the board outline again, w10

## Text inside footprints (layer, text, board x,y; h text height)
C505: Top Overlay "+" at 379.76,2361.73 h59.06
D502: Top 3D Body "*" at 2958.07,3289.82 h50 r90; Top Overlay "*" at 2958.07,3232.12 h50 r90
D504: Top 3D Body "*" at 3245.61,3174.61 h50 r180; Top Overlay "*" at 3303.31,3174.61 h50 r180
D506: Top 3D Body "*" at 3479.72,3063.44 h50 r90; Top Overlay "*" at 3479.72,3005.74 h50 r90
D508: Top 3D Body "*" at 214.11,2406.89 h50 r180; Top Overlay "*" at 271.81,2406.89 h50 r180
Q508: Top 3D Body "*" at 212.41,2090.85 h50 r90; Top Overlay "*" at 163.91,2036.35 h50 r90
U402: Top 3D Body "*" at 2687.98,1133.28 h50; Top Overlay "*" at 2634.98,1180.78 h50